# Altium PCB openmv-stm32n.PcbDoc (part 1 of 5)
Units mil, origin at the board's own origin, x right, y up, seen from the top; angles counter-clockwise.
Board outline 1400 x 1750 mil, 10 copper layers (Top Layer, L2, L3H, L5Z, L4, L6G, L7P, L8V, L9, Bottom Layer), stack 46.102 mil thick; 354 components, 264 nets, 1311 pads, 599 vias.
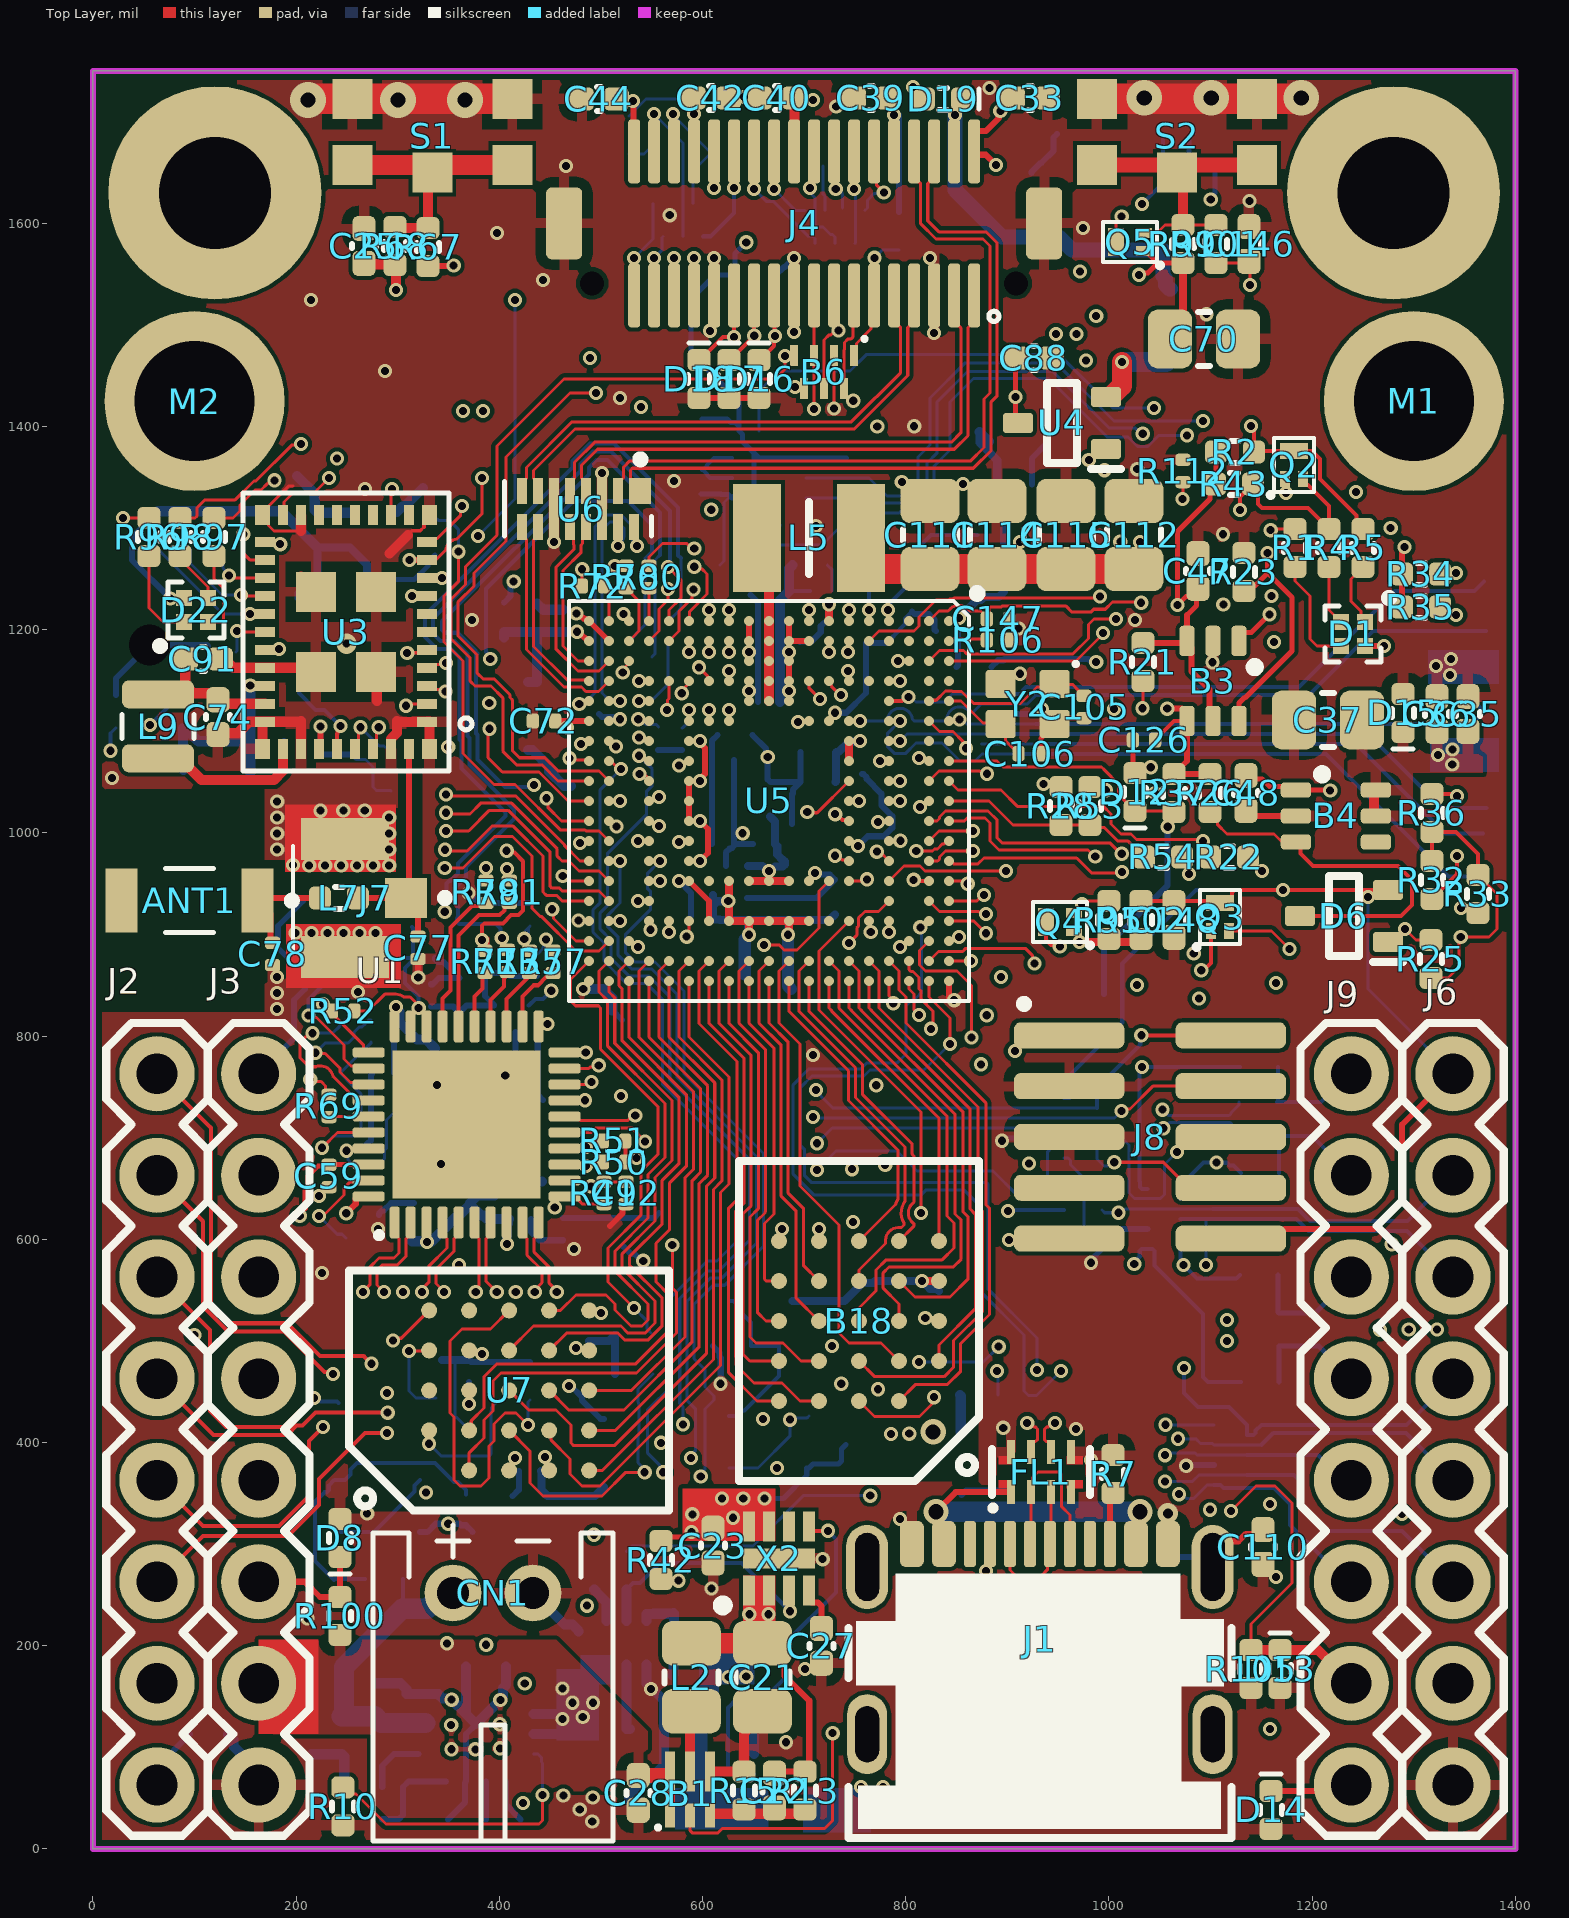
[diagram p0: Top Layer view]
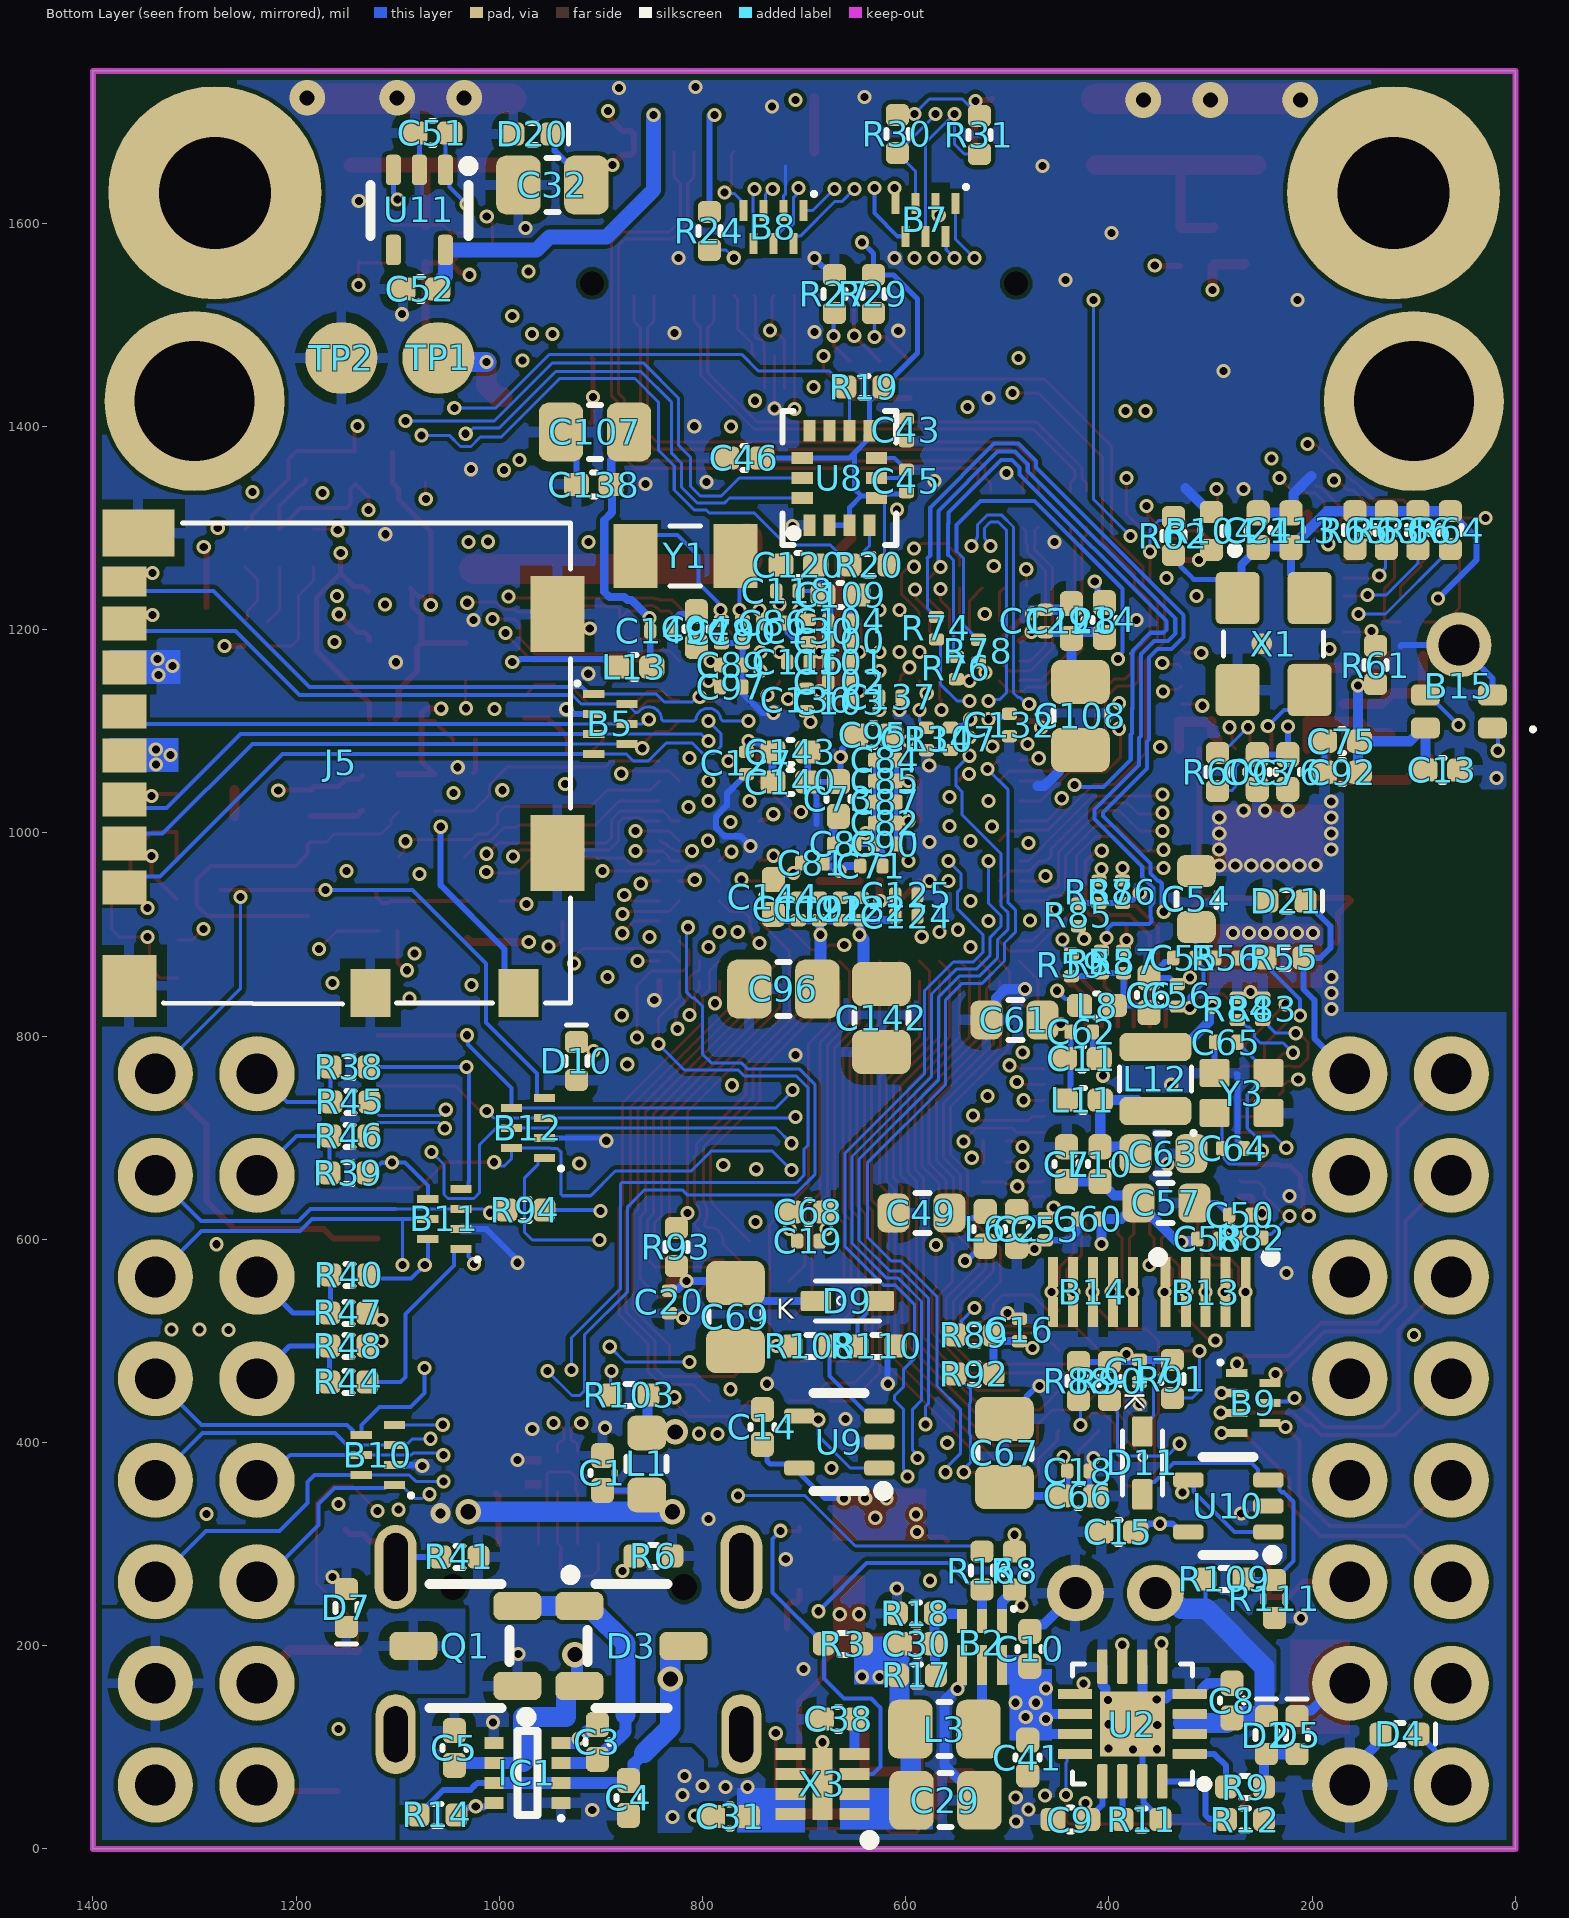
[diagram p1: Bottom Layer view, seen from below]
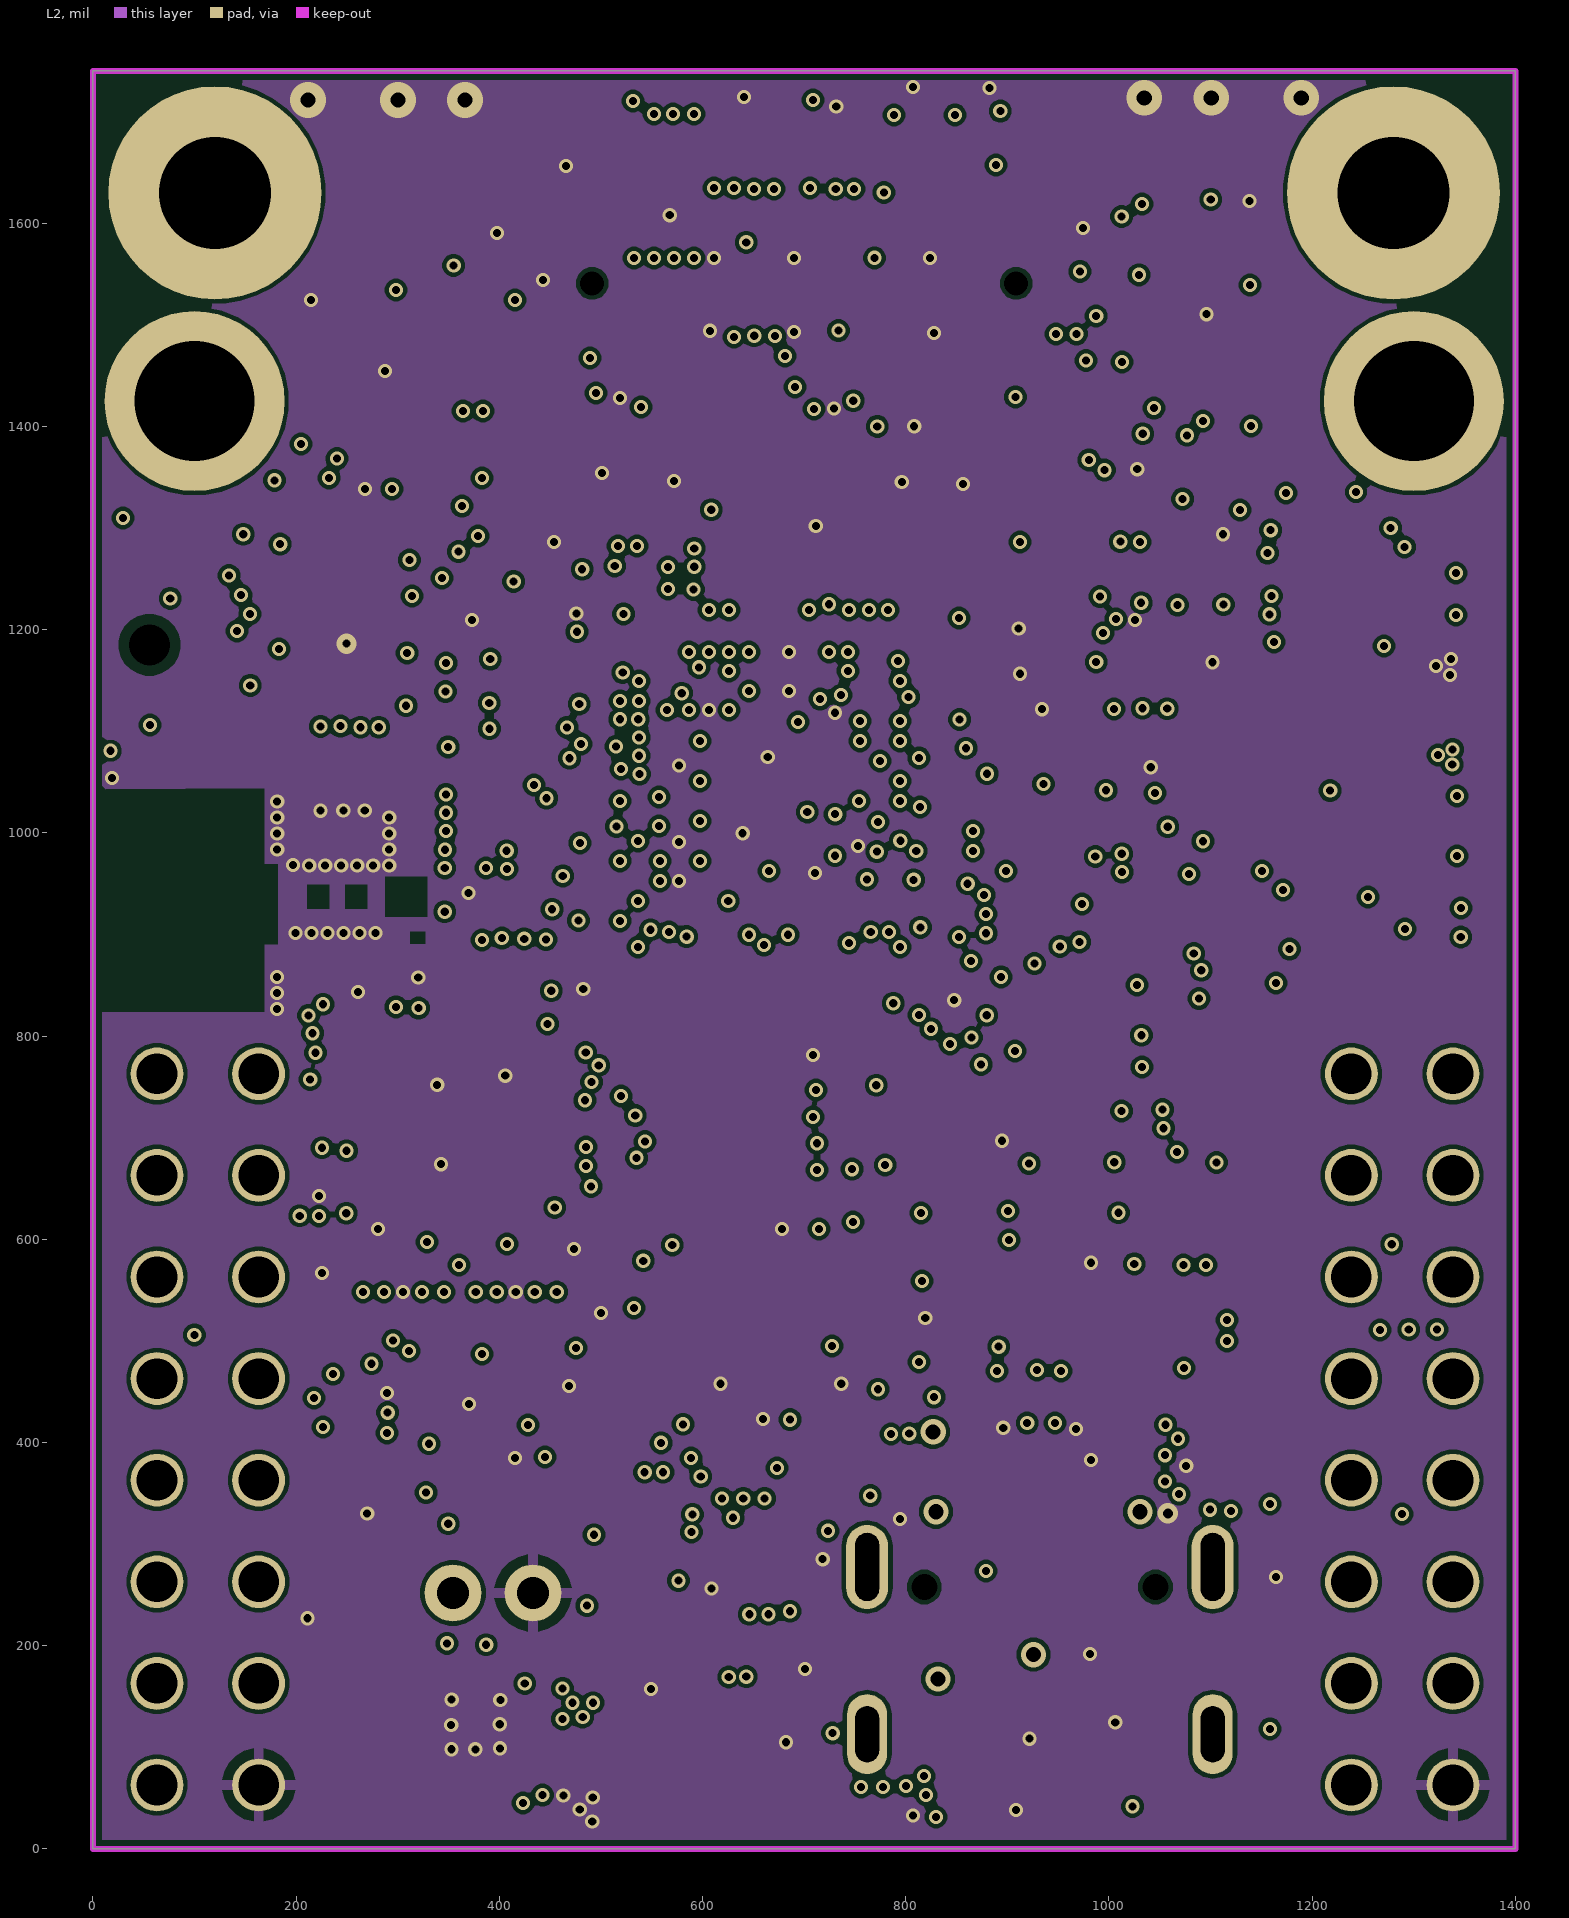
[diagram p2: L2]
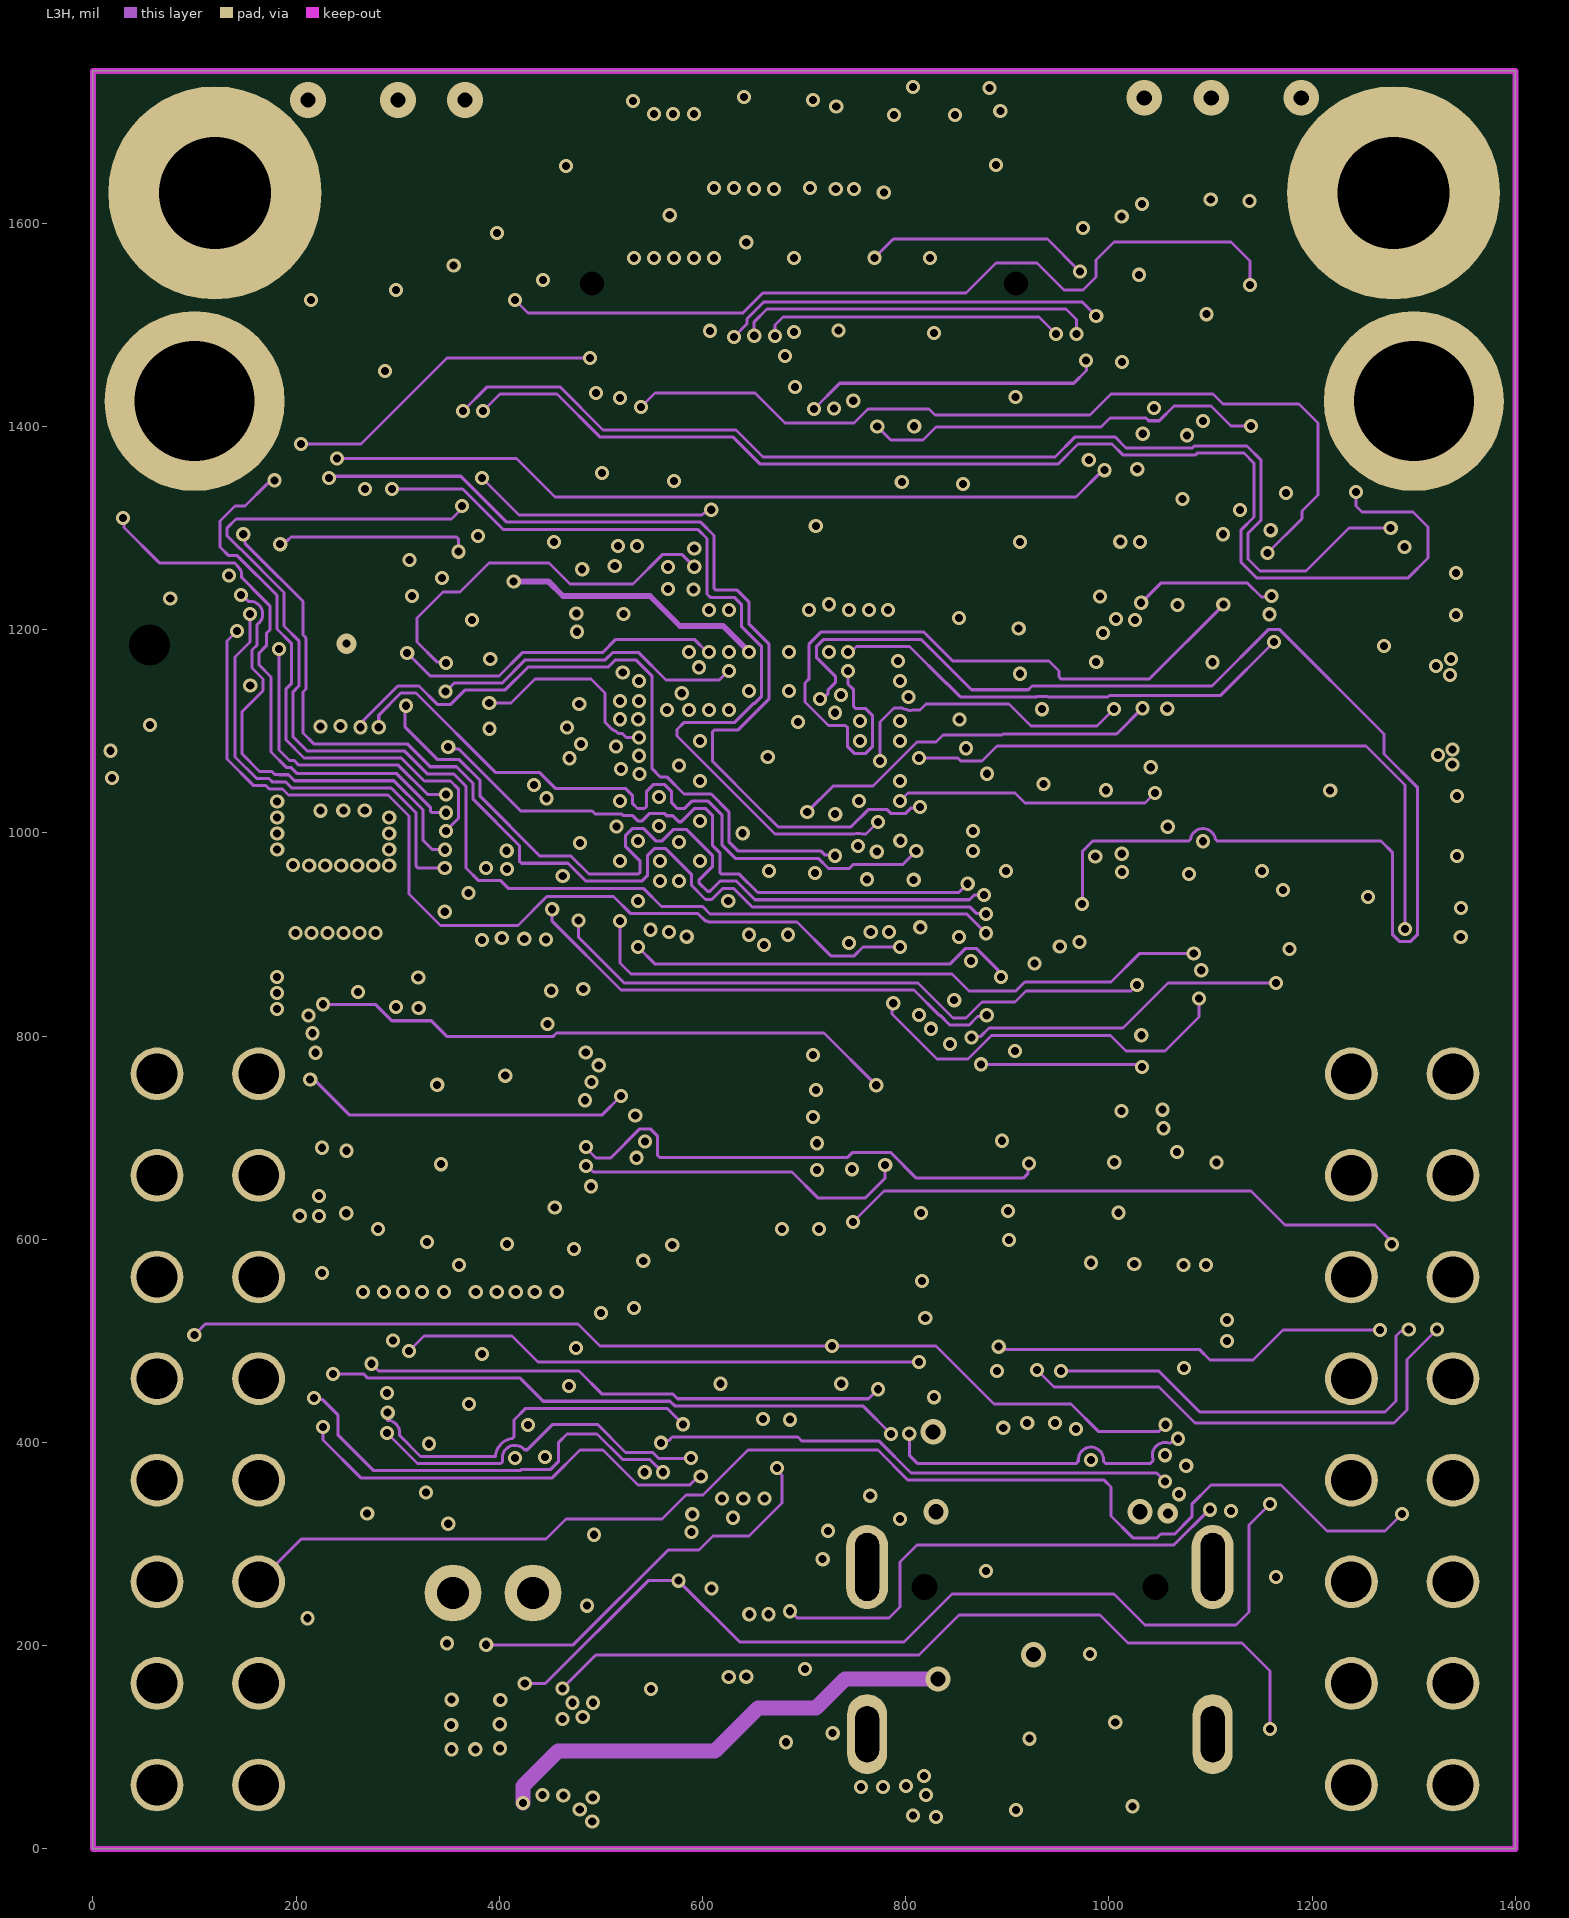
[diagram p3: L3H]
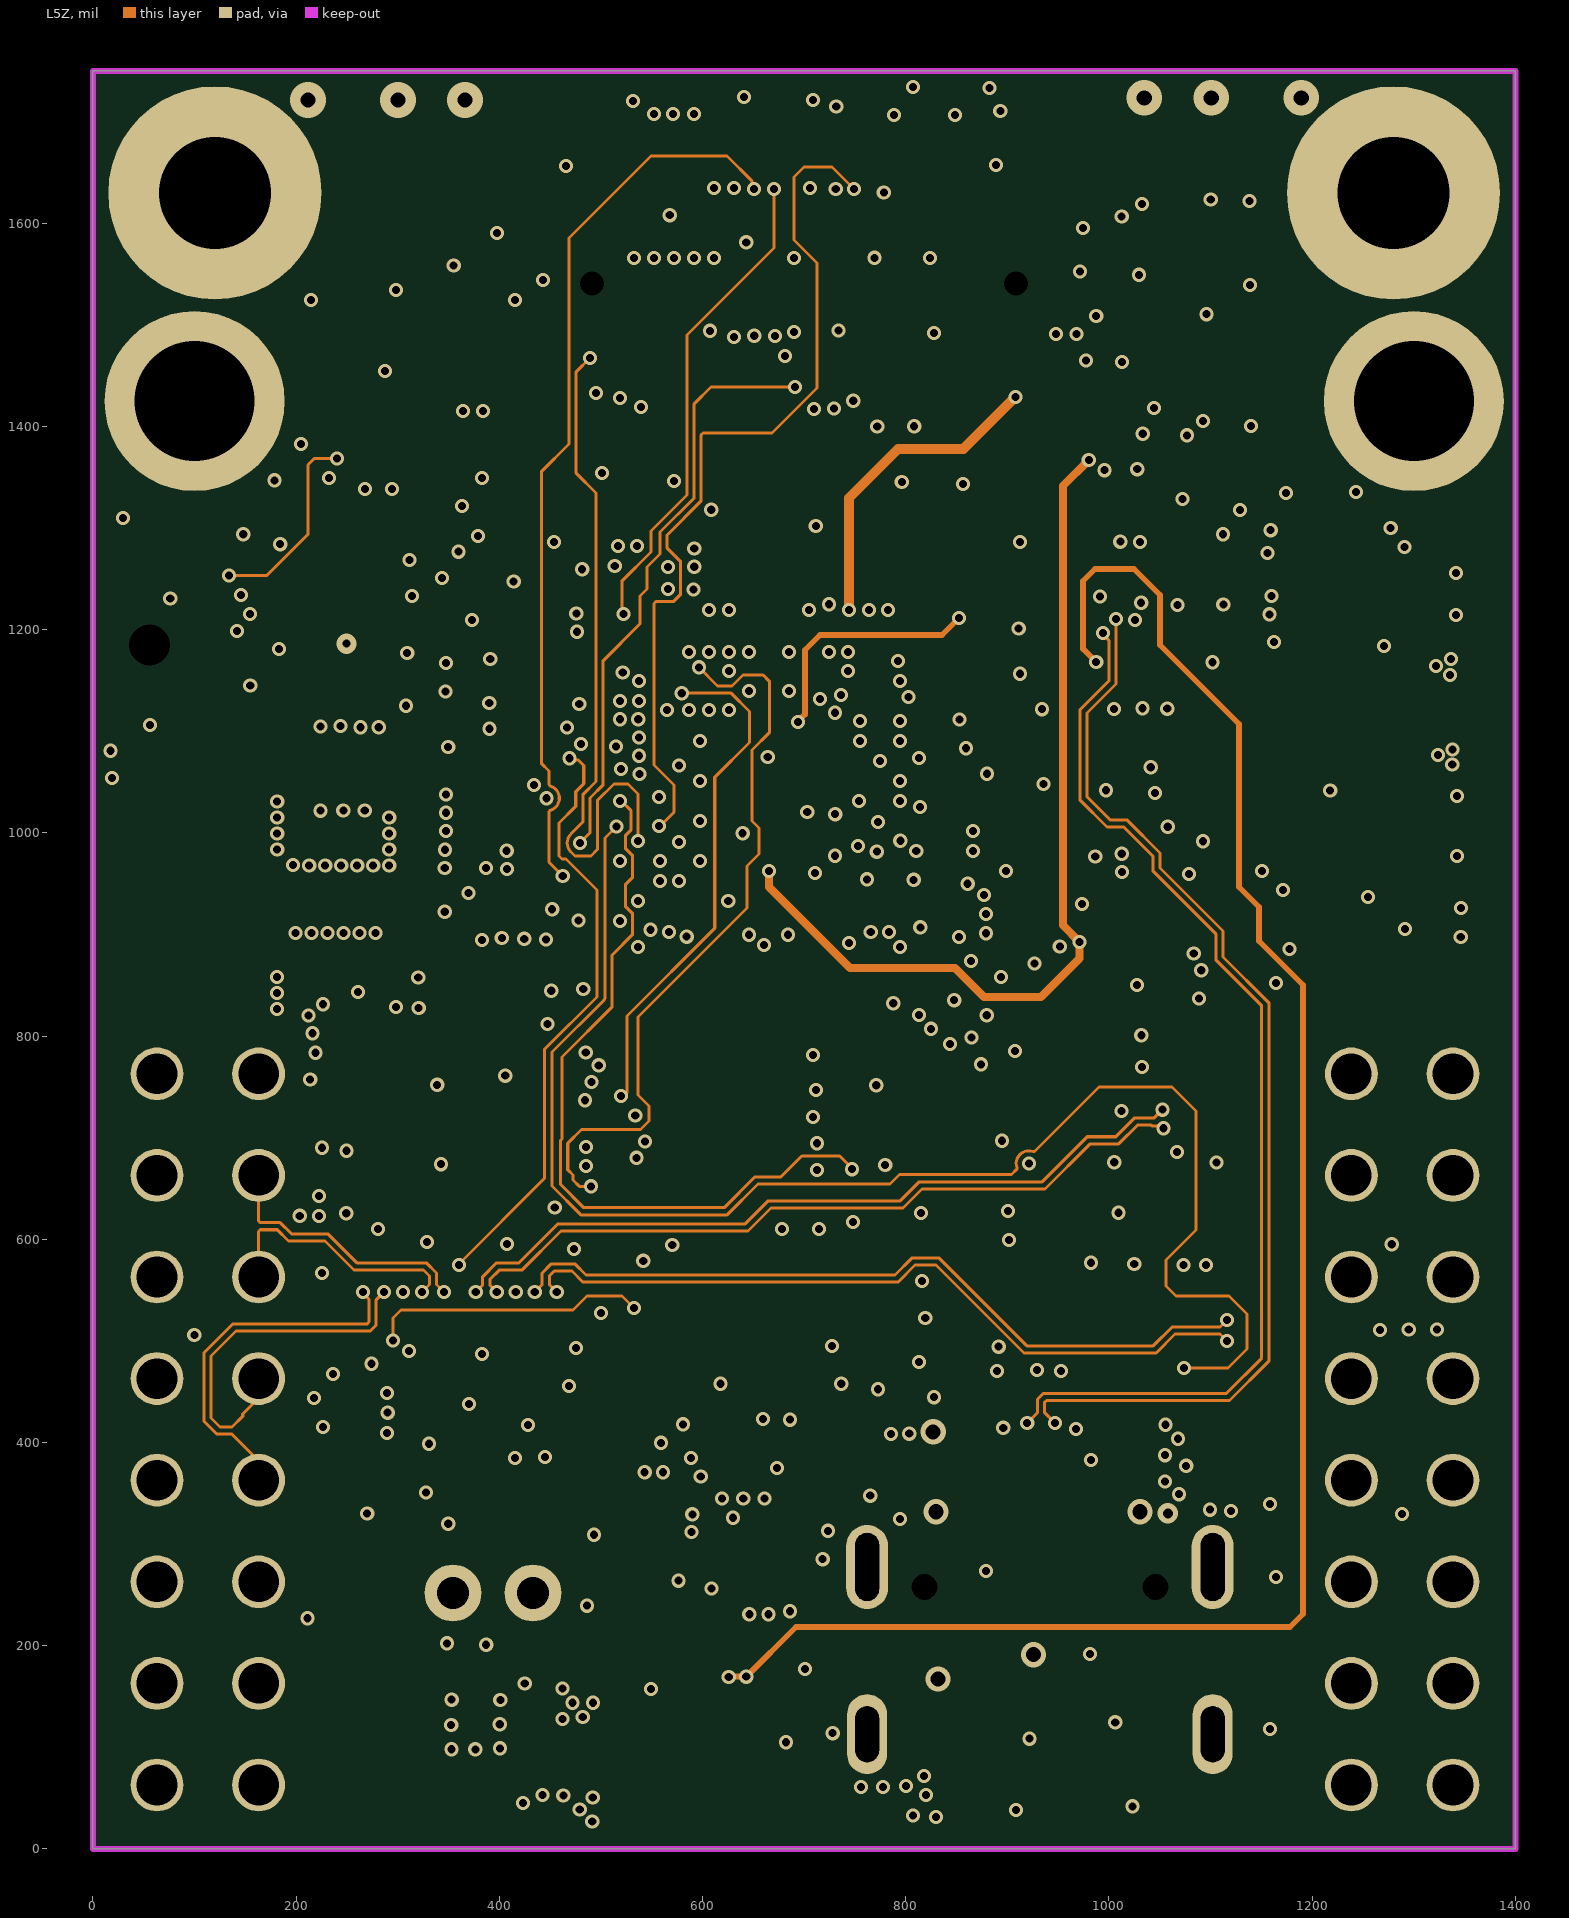
[diagram p4: L5Z]